# Altium PCB E17-06-PDU_E17-PDU-LAYOUT.PcbDoc (part 1 of 2) (continued)
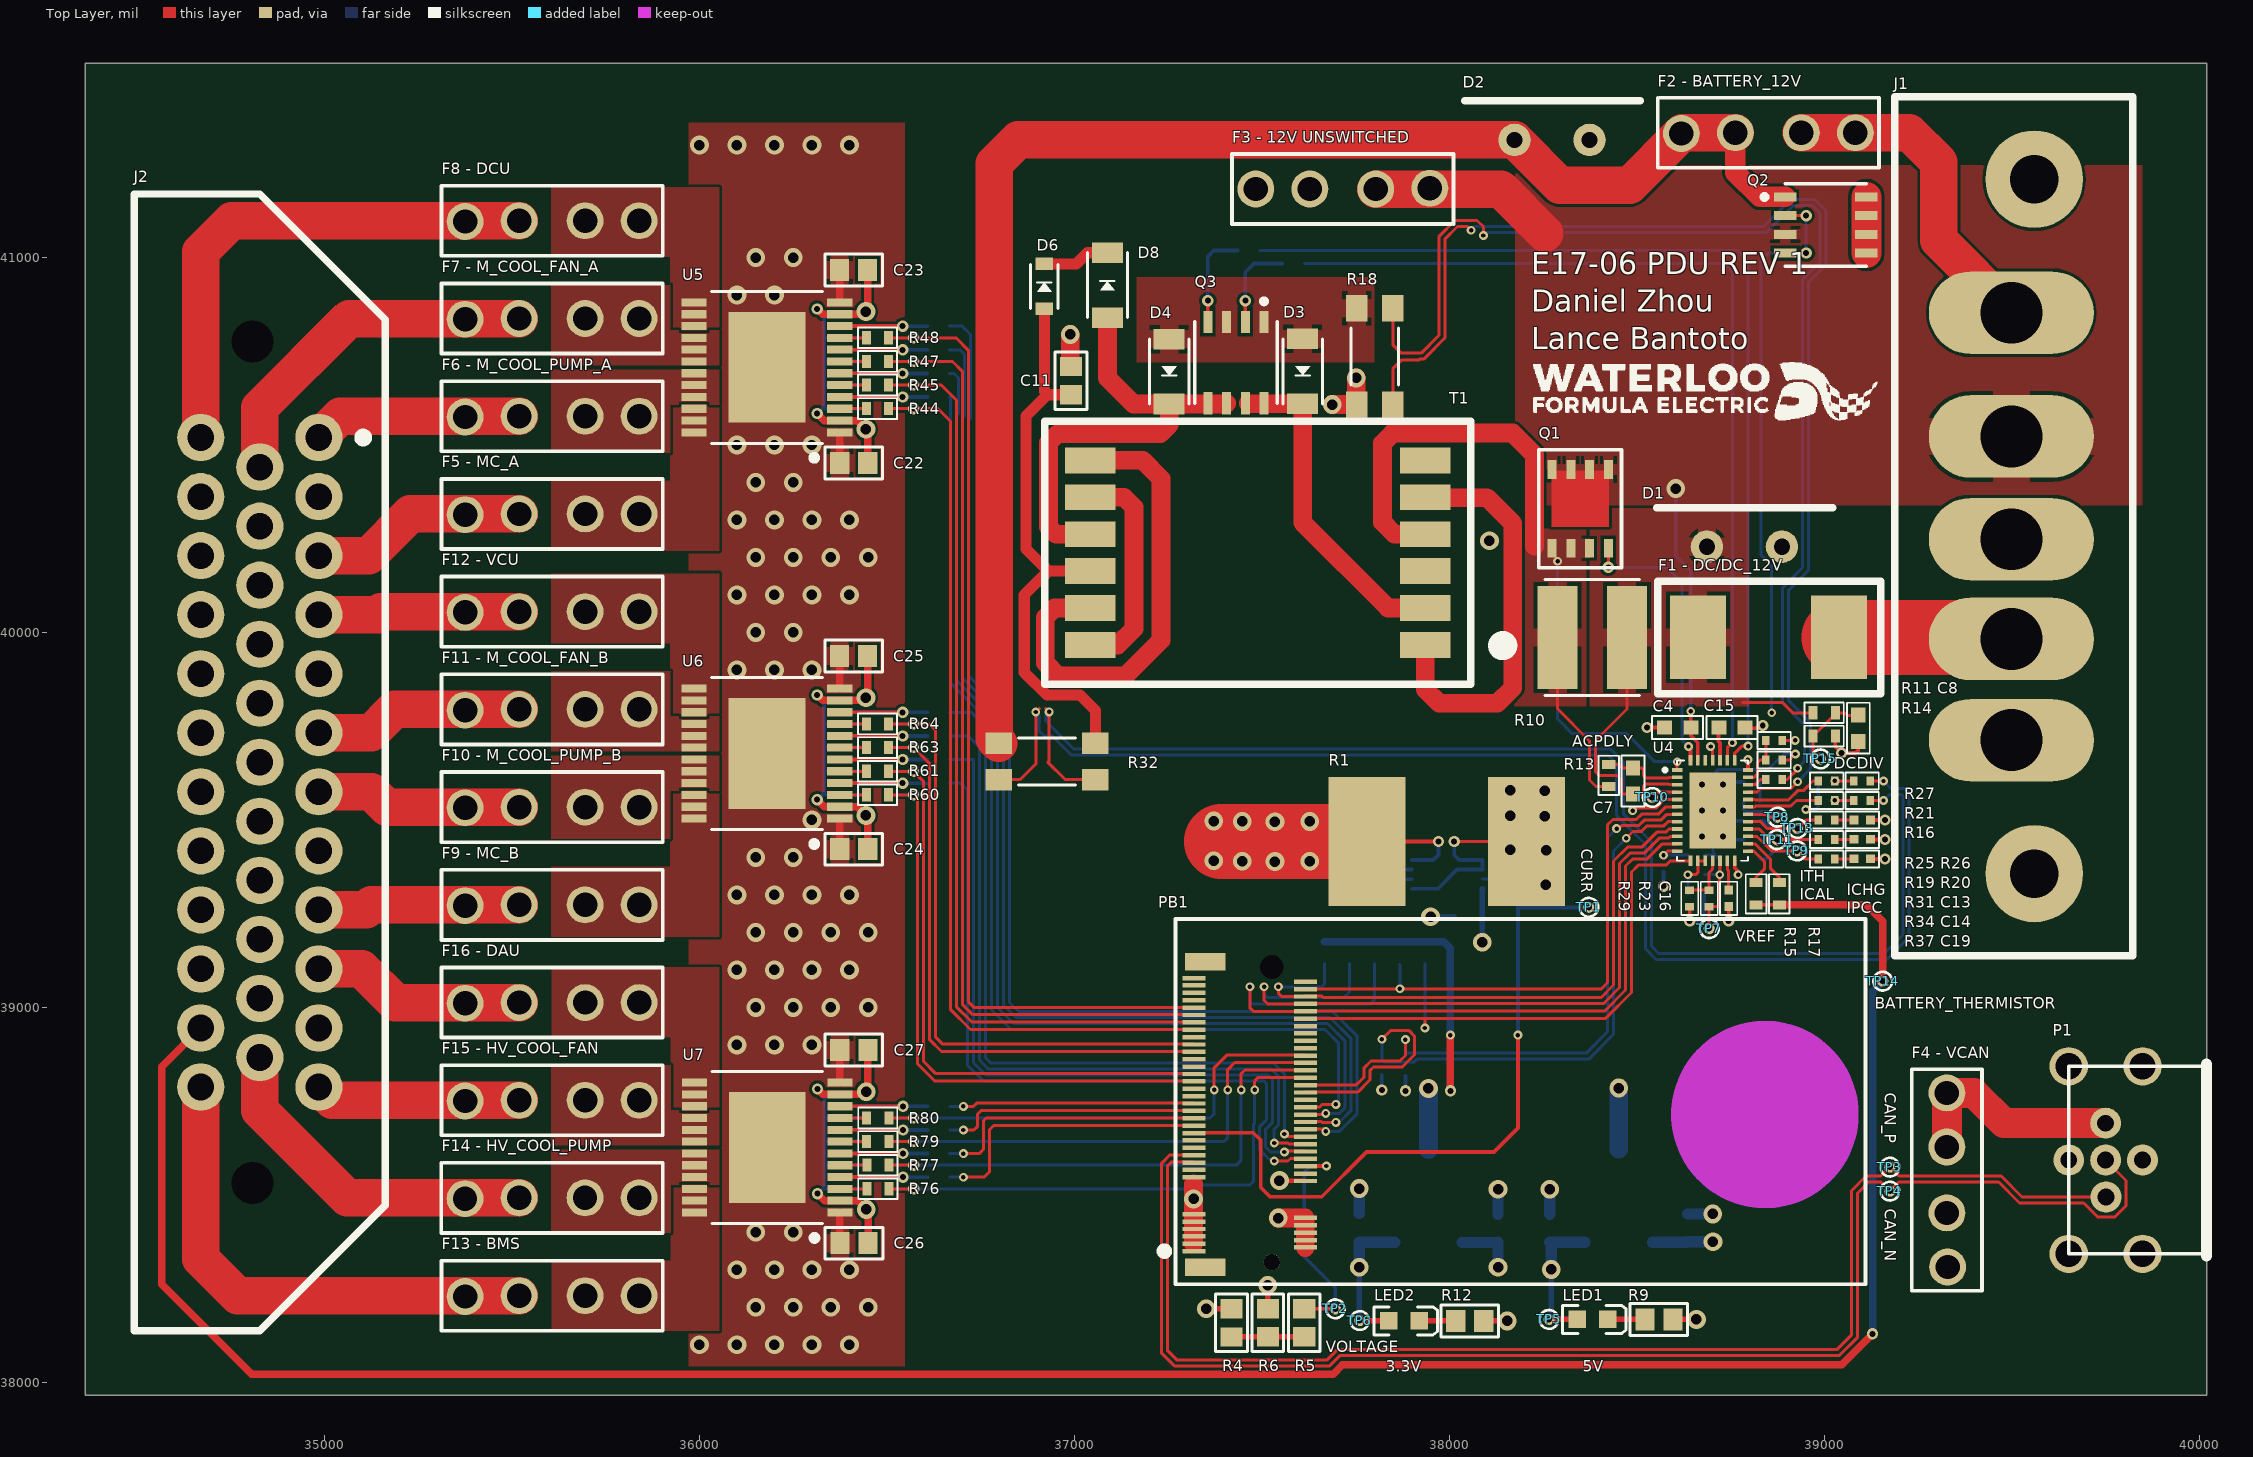
[diagram p0: Top Layer view]
## Design rules (kind name [scope] priority, off if disabled: settings)
BoardOutlineClearance [All] p1: gap=25 ignorepadtopadclearanceinfootprint=FALSE
Clearance [All] p1: gap=8 ignorepadtopadclearanceinfootprint=FALSE
ComponentClearance ComponentClearance_TP [All] p1: gap=-20 collisioncheckmode=3 verticalgap=10 showdistances=FALSE
ComponentClearance [All] p2: gap=10 collisioncheckmode=3 verticalgap=10 showdistances=FALSE
DiffPairsRouting [All] p1: maxlimit=10 minlimit=8 mostfreqgap=8 toplayer_minwidth=8 toplayer_maxwidth=15 toplayer_prefwidth=8 midlayer1_minwidth=8 midlayer1_maxwidth=15 midlayer1_prefwidth=8 midlayer2_minwidth=8 midlayer2_maxwidth=15 midlayer2_prefwidth=8 bottomlayer_minwidth=8 bottomlayer_maxwidth=15 bottomlayer_prefwidth=8 maxuncoupledlength=500
Height [All] p1: minheight=0 maxheight=99999 prefheight=500
MinimumSolderMaskSliver [All] p1: minsoldermaskwidth=4
PlaneConnect PlaneConnect_TRANS_PRI_2 [InNet('TRANS_PRI_2')] p1: planeconnectstyle=Direct reliefexpansion=20 reliefentries=4 reliefconductorwidth=10 reliefairgap=10
PlaneConnect [All] p2: planeconnectstyle=Relief reliefexpansion=20 reliefentries=4 reliefconductorwidth=10 reliefairgap=10
PolygonConnect PolygonConnect_GND_INPUTCONNECTOR [HasFootprint('J_684S5W5103L461') vs IsNamedPolygon('12V_2')] p1: connectstyle=Direct reliefconductorwidth=10 reliefentries=4 polygonreliefangle="90 Angle" airgapwidth=10
PolygonConnect PolygonConnect_DIRECT [IsNamedPolygon('VCU') OR IsNamedPolygon('MC_A') OR IsNamedPolygon('MC_B') OR IsNamedPolygon('BMS') OR IsNamedPolygon('DAU') OR IsNamedPolygon('DCU') OR IsNamedPolygon('FMB_A') OR IsNamedPolygon('HV_COOL_FAN') OR IsNamedPolygon('HV_COOL_PUMP') OR IsNamedPolygon('M_COOL_FAN') OR IsNamedPolygon('M_COOL_PUMP_A') OR IsNamedPolygon('M_COOL_PUMP_B') OR HasFootprint('POWERSSO-24')] p2: connectstyle=Direct reliefconductorwidth=10 reliefentries=4 polygonreliefangle="90 Angle" airgapwidth=10
PolygonConnect PolygonConnect_12V_GLVMS_1 [IsNamedPolygon('12V_GLVMS_1') or IsNamedPolygon('CONNECTOR_GND_1')] p3: thpad.connectstyle=Relief thpad.reliefconductorwidth=100 thpad.reliefentries=4 thpad.polygonreliefangle="90 Angle" thpad.airgapwidth=10 smdpad.connectstyle=Relief smdpad.reliefconductorwidth=30 smdpad.reliefentries=4 smdpad.polygonreliefangle="90 Angle" smdpad.airgapwidth=10 via.connectstyle=Direct via.reliefconductorwidth=10 via.reliefentries=4 via.polygonreliefangle="90 Angle" via.airgapwidth=10
PolygonConnect PolygonConnect_HIGH_I [IsNamedPolygon('DC/DC_12V_1') OR  IsNamedPolygon('TRANS_PRI_1_1') OR IsNamedPolygon('SYNC_FET_SOURCE_1') OR IsNamedPolygon('12V_2') OR IsNamedPolygon('GND_1')] p4: thpad.connectstyle=Relief thpad.reliefconductorwidth=50 thpad.reliefentries=4 thpad.polygonreliefangle="90 Angle" thpad.airgapwidth=10 smdpad.connectstyle=Relief smdpad.reliefconductorwidth=50 smdpad.reliefentries=4 smdpad.polygonreliefangle="90 Angle" smdpad.airgapwidth=10 via.connectstyle=Direct via.reliefconductorwidth=10 via.reliefentries=4 via.polygonreliefangle="90 Angle" via.airgapwidth=10
PolygonConnect [All] p5: thpad.connectstyle=Relief thpad.reliefconductorwidth=10 thpad.reliefentries=4 thpad.polygonreliefangle="90 Angle" thpad.airgapwidth=10 smdpad.connectstyle=Relief smdpad.reliefconductorwidth=10 smdpad.reliefentries=4 smdpad.polygonreliefangle="90 Angle" smdpad.airgapwidth=10 via.connectstyle=Direct via.reliefconductorwidth=10 via.reliefentries=4 via.polygonreliefangle="90 Angle" via.airgapwidth=10
RoutingVias [All] p1: holewidth=16 width=30 viastyle="Through Hole" minholewidth=11.81 minwidth=23.62 maxholewidth=28 maxwidth=50
SilkToSilkClearance SilkToSilkClearance_TP [HasFootprint('TEST POINT') vs HasFootprint('TEST POINT')] p1 off: silktosilkclearance=3
SolderMaskExpansion [All] p1: expansion=4
Width [All] p1: maxlimit=1000 minlimit=8 preferedwidth=8
24 further rules are at their usual default settings.

## Classes and differential pairs
component class Connectors: C1 D1 D2 "F1 - DC/DC_12V" "F2 - BATTERY_12V" "F3 - 12V UNSWITCHED" "F4 - VCAN" J1 J2 P1 R1 R2 R3 R4 R5 R6 TP1 TP2 TP3 TP4 U1
component class Gate_1: C22 C23 F5 F6 F7 F8 R41 R42 R43 R44 R45 R46 R47 R48 R49 R50 R51 R52 R53 R54 R55 R56 U5
component class Gate_2: C24 C25 F9 F10 F11 F12 R57 R58 R59 R60 R61 R62 R63 R64 R65 R66 R67 R68 R69 R70 R71 R72 U6
component class Gate_3: C26 C27 F13 F14 F15 F16 R73 R74 R75 R76 R77 R78 R79 R80 R81 R82 R83 R84 R85 R86 R87 R88 U7
component class POWER: C2 C3 C4 C5 C6 C7 C8 C9 C11 C12 C13 C14 C15 C16 C17 C18 C19 D3 D4 D6 D8 LED1 LED2 Q1 Q2 Q3 R9 R10 R11 R12 R13 R14 R15 R16 R17 R18 R19 R20 R21 R22 R23 R24 R25 R26 R27 R28 R29 R30 R31 R32 R33 R34 R35 R36 R37 R38 R89 R90 T1 Text TP5 TP6 TP7 TP8 TP9 TP10 TP11 TP13 TP14 TP15 U2 U3 U4
component class Processor: PB1 R7 R8 R91 R92 R93 R94 R95
differential pair FLYBACK_SENSE: +FLYBACK_SENSE_P -FLYBACK_SENSE_N
differential pair FET_SENSE: +FET_SENSE_P -FET_SENSE_N
differential pair CAN: +CAN_P -CAN_N

## Components (designator, comment, footprint, x,y, rotation, side; value= is the part's Value field where it differs from the comment)
C1 "C_0805_Generic" C0805 38050.37,39241.77 r0 bottom value=0.1uF
C2 "C_0805_Generic" C0805 38635.97,38411.77 r90 bottom value=0.33uF
C3 "C_0805_Generic" C0805 38267.97,38411.17 r90 bottom value=0.1uF
C4 "C_0603_Generic_1" C0603 38608.97,39746.77 r180 top value=0uF
C5 "C_0805_Generic" C0805 38129.97,38410.77 r90 bottom value=0.33uF
C6 "C_0805_Generic" C0805 37759.97,38410.77 r90 bottom value=0.1uF
C7 "C_0603_Generic_1" C0603 38490.23,39603.97 r90 top value=0uF
C8 "C_0603_Generic_1" C0603 39090.97,39744.77 r270 top value=0uF
C9 "C_0403_Generic" C0402 39006.23,39551.97 r180 bottom value=0uF
C11 "C_0805_Generic" C0805 36991,40671.6 r90 top value=22uF
C12 "C_0403_Generic" C0402 39006.23,39603.97 r0 bottom value=0uF
C13 "C_0403_Generic" C0402 39101.23,39499.97 r0 top value=0uF
C14 "C_0403_Generic" C0402 39101.23,39447.97 r0 top value=0uF
C15 "C_0603_Generic_1" C0603 38753.97,39746.77 r0 top value=0uF
C16 "C_0403_Generic" C0402 38745.23,39290.97 r270 top value=0uF
C17 "C_0403_Generic" C0402 38621.23,39571.97 r0 bottom value=0uF
C18 "C_0403_Generic" C0402 38807.23,39600.97 r180 bottom value=0uF
C19 "C_0403_Generic" C0402 39101.23,39395.97 r0 top value=0uF
C22 "C_0805_Generic" C0805 36411.4,40452 r0 top value=0.1uF
C23 "C_0805_Generic" C0805 36411,40967 r0 top value=0.1uF
C24 "C_0805_Generic" C0805 36411.4,39422 r0 top value=0.1uF
C25 "C_0805_Generic" C0805 36411,39937 r0 top value=0.1uF
C26 "C_0805_Generic" C0805 36412.21,38371.26 r0 top value=0.1uF
C27 "C_0805_Generic" C0805 36411.81,38886.26 r0 top value=0.1uF
D1 "D_STPS20SM60D" TO-220-2 38786.97,40228.77 r180 top
D2 "D_STPS20SM60D" TO-220-2 38273.97,41313.77 r180 top
D3 "D_PMEG3050EP,115" SOD-128 37608.97,40696.39 r270 top
D4 "D_PMEG3050EP,115" SOD-128 37252.97,40695.77 r270 top
D6 "D_ZENER" SOD-123FL 36920,40923 r90 top
D8 "D_PMEG3050EP,115" SOD-128 37088,40926.39 r90 top
"F1 - DC/DC_12V" "F_1025HC50-RTR" F_1025HC50-RTR 38843.89,39992.68 r180 top (schematic designator F1)
"F2 - BATTERY_12V" "F_BK-6013" BK-6013 38850.97,41332.77 r180 top (schematic designator F2)
"F3 - 12V UNSWITCHED" "F_BK-6013" BK-6013 37715.88,41182.77 r0 top (schematic designator F3)
"F4 - VCAN" "F_BK-6013" BK-6013 39326.97,38539.78 r270 top (schematic designator F4)
"F5 - MC_A" "F_BK-6013" BK-6013 35606.99,40316.09 r180 top (schematic designator F5)
"F6 - M_COOL_PUMP_A" "F_BK-6013" BK-6013 35606.99,40576.73 r180 top (schematic designator F6)
"F7 - M_COOL_FAN_A" "F_BK-6013" BK-6013 35606.99,40837.36 r180 top (schematic designator F7)
"F8 - DCU" "F_BK-6013" BK-6013 35606.99,41098 r180 top (schematic designator F8)
"F9 - MC_B" "F_BK-6013" BK-6013 35606.99,39273.55 r180 top (schematic designator F9)
"F10 - M_COOL_PUMP_B" "F_BK-6013" BK-6013 35606.99,39534.18 r180 top (schematic designator F10)
"F11 - M_COOL_FAN_B" "F_BK-6013" BK-6013 35606.99,39794.82 r180 top (schematic designator F11)
"F12 - VCU" "F_BK-6013" BK-6013 35606.99,40055.45 r180 top (schematic designator F12)
"F13 - BMS" "F_BK-6013" BK-6013 35606.99,38231 r180 top (schematic designator F13)
"F14 - HV_COOL_PUMP" "F_BK-6013" BK-6013 35606.91,38492 r180 top (schematic designator F14)
"F15 - HV_COOL_FAN" "F_BK-6013" BK-6013 35606.99,38752.27 r180 top (schematic designator F15)
"F16 - DAU" "F_BK-6013" BK-6013 35606.99,39012.91 r180 top (schematic designator F16)
J1 "J_684S5W5103L461" J_684S5W5103L461 39498.97,40282.77 r90 top
J2 "P_TE-1-776163-1" P_TE-1-776163-1 34984.96,40519.92 r270 top
LED1 "Green" LGR971 38382,38167.77 r0 top
LED2 "Green" LGR971 37879,38163.77 r0 top
P1 "P_CAN-CONNECTOR" "CAN CONNECTOR (90)" 39750.54,38592.77 r270 top
PB1 "U_ProcBoardRev2" PROC_BOARD 38007.73,38349.88 r90 top
Q1 "Q_SI7141DP-T1-GE3" "POWERPAK SO-8" 38348.97,40329.77 r90 top
Q2 "Q_DMN3018SSD-13_1" 8-SOIC 39003.97,41086.77 r270 top
Q3 "Q_DMN3018SSD-13" 8-SOIC 37430.97,40719.77 r180 top
R1 "R_PSR500HTQFC0L20" PSR500HTQFC0L20 37993.37,39442.77 r0 top value=R0005
R2 "R_0805_Generic" R0805 38182.97,39303.77 r270 bottom value=10K
R3 "R_0805_Generic" R0805 37825.97,39354.77 r270 bottom value=240R
R4 "R_0805_Generic" R0805 37419,38158.6 r90 top value=10.2K
R5 "R_0805_Generic" R0805 37613,38159 r90 top value=10K
R6 "R_0805_Generic" R0805 37516,38159 r90 top value=1.96K
R7 "R_0603_Generic" R0603 37883,38848.5 r270 bottom value=10K
R8 "R_0603_Generic" R0603 37820,38849 r270 bottom value=10K
R9 "R_0805_Generic" R0805 38558.97,38167.77 r0 top value=150
R10 "R_ERJ-MS6SF2M0U" R2526 38381.45,39986.77 r180 top value=R002
R11 "R_0603_Generic" R0603 38999.97,39785.77 r0 top value=0R
R12 "R_0805_Generic" R0805 38054.37,38163.77 r0 top value=56
R13 "R_0603_Generic" R0603 38425.23,39618.97 r90 top value=0R
R14 "R_0603_Generic" R0603 38999.97,39723.77 r0 top value=0R
R15 "R_0603_Generic" R0603 38818.23,39302.97 r90 top value=0R
R16 "R_0402_Generic" R0402 38866.23,39607.97 r0 top value=0R
R17 "R_0603_Generic" R0603 38880.23,39302.97 r90 top value=0R
R18 "R_LVK24R025FER" R2512 37801.2,40735.71 r90 top value=R025
R19 "R_0402_Generic" R0402 39006.23,39551.97 r0 top value=0R
R20 "R_0402_Generic" R0402 39101.23,39551.97 r0 top value=0R
R21 "R_0402_Generic" R0402 38866.23,39659.97 r180 top value=0R
R22 "R_0402_Generic" R0402 38658.23,39405.97 r180 bottom value=0R
R23 "R_0402_Generic" R0402 38693.23,39290.97 r90 top value=0R
R24 "R_0402_Generic" R0402 38658.23,39353.97 r180 bottom value=0R
R25 "R_0402_Generic" R0402 39006.23,39603.97 r0 top value=0R
R26 "R_0402_Generic" R0402 39101.23,39603.97 r0 top value=0R
R27 "R_0402_Generic" R0402 38866.23,39711.97 r0 top value=0R
R28 "R_0402_Generic" R0402 38571.23,39383.97 r270 bottom value=0R
R29 "R_0402_Generic" R0402 38641.23,39290.97 r270 top value=0R
R30 "R_0402_Generic" R0402 38658.23,39301.97 r0 bottom value=0R
R31 "R_0402_Generic" R0402 39006.23,39499.97 r0 top value=0R
R32 "R_LVK24R050DER" R2512 36927.06,39655.77 r0 top value=R05
R33 "R_0402_Generic" R0402 38807.23,39497.97 r180 bottom value=0R
R34 "R_0402_Generic" R0402 39006.23,39447.97 r0 top value=0R
R35 "R_0402_Generic" R0402 38807.23,39548.97 r0 bottom value=0R
R36 "R_0402_Generic" R0402 38807.23,39446.97 r180 bottom value=0R
R37 "R_0402_Generic" R0402 39006.23,39395.97 r0 top value=0R
R38 "R_0402_Generic" R0402 38807.23,39395.97 r180 bottom value=0R
R41 "R_0603_Generic" R0603 36475,40597 r0 bottom value=10K
R42 "R_0603_Generic" R0603 36475,40660 r0 bottom value=10K
R43 "R_0603_Generic" R0603 36475,40723 r0 bottom value=10K
R44 "R_0603_Generic" R0603 36475,40597 r180 top value=10K
R45 "R_0603_Generic" R0603 36475,40660 r180 top value=10K
R46 "R_0603_Generic" R0603 36475,40786 r0 bottom value=10K
R47 "R_0603_Generic" R0603 36475,40723 r180 top value=10K
R48 "R_0603_Generic" R0603 36475,40786 r180 top value=10K
R49 "R_0603_Generic" R0603 36637.5,40628 r180 bottom value=10K
R50 "R_0603_Generic" R0603 36637,40691 r180 bottom value=10K
R51 "R_0603_Generic" R0603 36637.5,40754 r180 bottom value=10K
R52 "R_0603_Generic" R0603 36637.5,40817 r180 bottom value=10K
R53 "R_0603_Generic" R0603 36362,40629 r180 bottom value=499R
R54 "R_0603_Generic" R0603 36362,40692 r180 bottom value=499R
R55 "R_0603_Generic" R0603 36362,40755 r180 bottom value=499R
R56 "R_0603_Generic" R0603 36362,40818 r180 bottom value=499R
R57 "R_0603_Generic" R0603 36475,39567 r0 bottom value=10K
R58 "R_0603_Generic" R0603 36475,39630 r0 bottom value=10K
R59 "R_0603_Generic" R0603 36475,39693 r0 bottom value=10K
R60 "R_0603_Generic" R0603 36475,39567 r180 top value=10K
R61 "R_0603_Generic" R0603 36475,39630 r180 top value=10K
R62 "R_0603_Generic" R0603 36475,39756 r0 bottom value=10K
R63 "R_0603_Generic" R0603 36475,39693 r180 top value=10K
R64 "R_0603_Generic" R0603 36475,39756 r180 top value=10K
R65 "R_0603_Generic" R0603 36637.5,39598 r180 bottom value=10K
R66 "R_0603_Generic" R0603 36637,39661 r180 bottom value=10K
R67 "R_0603_Generic" R0603 36637.5,39724 r180 bottom value=10K
R68 "R_0603_Generic" R0603 36637.5,39787 r180 bottom value=10K
R69 "R_0603_Generic" R0603 36362,39599 r180 bottom value=499R
R70 "R_0603_Generic" R0603 36362,39662 r180 bottom value=499R
R71 "R_0603_Generic" R0603 36362,39725 r180 bottom value=499R
R72 "R_0603_Generic" R0603 36362,39788 r180 bottom value=499R
R73 "R_0603_Generic" R0603 36475.81,38516.26 r0 bottom value=10K
R74 "R_0603_Generic" R0603 36475.81,38579.26 r0 bottom value=10K
R75 "R_0603_Generic" R0603 36475.56,38642.01 r0 bottom value=10K
R76 "R_0603_Generic" R0603 36475.81,38516.26 r180 top value=10K
R77 "R_0603_Generic" R0603 36475.81,38579.26 r180 top value=10K
R78 "R_0603_Generic" R0603 36475.55,38705 r0 bottom value=10K
R79 "R_0603_Generic" R0603 36475.56,38642.01 r180 top value=10K
R80 "R_0603_Generic" R0603 36475.55,38705 r180 top value=10K
R81 "R_0603_Generic" R0603 36638.31,38547.26 r180 bottom value=10K
R82 "R_0603_Generic" R0603 36637.8,38610.25 r180 bottom value=10K
R83 "R_0603_Generic" R0603 36638.29,38673.24 r180 bottom value=10K
R84 "R_0603_Generic" R0603 36638.31,38736.26 r180 bottom value=10K
R85 "R_0603_Generic" R0603 36362.81,38548.26 r180 bottom value=499R
R86 "R_0603_Generic" R0603 36362.81,38611.26 r180 bottom value=499R
R87 "R_0603_Generic" R0603 36362.81,38674.26 r180 bottom value=499R
R88 "R_0603_Generic" R0603 36362.81,38737.26 r180 bottom value=499R
R89 "R_0603_Generic" R0603 37583.97,40983.77 r180 bottom value=0R
R90 "R_0603_Generic" R0603 37464.97,41018.77 r180 bottom value=0R
R91 "R_0603_Generic" R0603 37868,39146 r270 bottom value=100K
R92 "R_0603_Generic" R0603 37667,39146 r270 bottom value=100K
R93 "R_0603_Generic" R0603 37734,39146 r270 bottom value=100K
R94 "R_0603_Generic" R0603 37801,39146 r270 bottom value=100K
R95 "R_0603_Generic" R0603 37935,39146 r270 bottom value=100K
T1 "T_VP4-0140-R" T_VP4-0140-R 37489.15,40212.94 r180 top
TP1 "CURR" "TEST POINT" 38372,39267 r0 top
TP2 "VOLTAGE" "TEST POINT" 37696,38196 r0 top
TP3 "CAN_P" "TEST POINT" 39175,38574 r0 top
TP4 "CAN_N" "TEST POINT" 39175,38510 r0 top
TP5 "5V" "TEST POINT" 38265.97,38167.77 r0 top
TP6 "3.3V" "TEST POINT" 37760.97,38164.77 r0 top
TP7 "VREF" "TEST POINT" 38693.23,39209.97 r270 top
TP8 "ITH" "TEST POINT" 38875.23,39507.35 r270 top
TP9 "IPCC" "TEST POINT" 38927.23,39417.35 r270 top
TP10 "ACPDLY" "TEST POINT" 38541.23,39559.97 r0 top
TP11 "ICAL" "TEST POINT" 38874.23,39447.35 r0 top
TP13 "ICHG" "TEST POINT" 38928.23,39477.35 r0 top
TP14 "BATTERY_THERMISTOR" "TEST POINT" 39156,39070 r0 top
TP15 "DCDIV" "TEST POINT" 38989.97,39662.77 r90 top
U1 "U_INA826AIDGKR" 8-TSSOP 37993.97,39354.77 r0 bottom value=INA826AIDGKR
U2 "U_UA78M05CKVURG3" TO-252-3 38451.97,38747.77 r180 bottom
U3 "U_UA78M33CKVURG3" TO-252-3 37944.2,38746.79 r180 bottom
U4 "U_LTC4110" U_LTC4110 38702.23,39524.97 r270 top
U5 "U_VNQ5027AK-E" POWERSSO-24 36180,40707 r180 top
U6 "U_VNQ5027AK-E" POWERSSO-24 36180,39677 r180 top
U7 "U_VNQ5027AK-E" POWERSSO-24 36180.81,38626.26 r180 top

## Footprints (in the part's own frame and the unit in brackets; to place one, negate y for a bottom-side part, rotate by r counter-clockwise, add the part's x,y. Pads: shape width x height; smd on the part's side, far side on the other; paste and mask are expansions set on the pad)
8-SOIC [mm]
  rect 0.6x1.52 smd mask+0.076: 1(-1.905,-2.751) 2(-0.635,-2.751) 3(0.635,-2.751) 4(1.905,-2.751) 5(1.905,2.751) 6(0.635,2.751) 7(-0.635,2.751) 8(-1.905,2.751)
  silkscreen extent -2.8,-4.31 2.8,2.75, body extent -2.5,-3.08 2.5,3.08, height 2
8-TSSOP [mm] "For U_INA826AIDGKR"
  rect 1.26x0.4 smd mask+0.076: 1(-2.4,0.975) 2(-2.4,0.325) 3(-2.4,-0.325) 4(-2.4,-0.975) 5(2.4,-0.975) 6(2.4,-0.325) 7(2.4,0.325) 8(2.4,0.975)
  silkscreen extent -3.92,-1.55 1.55,1.55, body extent -2.45,-1.5 2.45,1.5, height 0.92
BK-6013 [mm] "FUSE HOLDER BLADE PCB"
  round 2.5 hole 1.65: 1(-5.895,0) 1(-2.235,0) 2(2.235,0) 2(5.895,0.051)
  silkscreen extent -7.5,-2.37 7.5,2.37
C0402 [mil]
  rect 24x23 smd mask+3: 1(-22,0) 2(22,0)
  silkscreen extent -44,-23 44,23, body extent -20,-10 20,10, height 10
C0603 [mil]
  rect 40x38 smd: 1(-35,0) 2(35,0)
  silkscreen extent -68,-31 68,31, body extent -32,-16 32,16, height 24
C0805 [mm] "Chip Capacitor; Body 2.0 x 1.2 mm (LxW typ)"
  rect 1.3x1.5 smd: 1(-0.95,0) 2(0.95,0)
  silkscreen extent -1.95,-1.07 1.95,1.07, body extent -1,-0.63 1,0.63, height 0.78
"CAN CONNECTOR (90)" [mm] "90 Degree Configuration"
  round 2.1 hole 1.14: 1(0,2.5) 2(-2.5,0) 3(0,-2.5) 4(2.5,0.025) 5(0,0)
  round 2.6 hole 1.78: 6(6.35,2.5) 7(6.35,-2.5) 8(-6.35,2.5) 9(-6.35,-2.5)
  silkscreen extent -6.5,-2.5 6.5,6.82, body extent -10.28,-7.25 10.28,21.25, height 18.55
F_1025HC50-RTR [mm]
  rect 3.79x5.65 smd mask+0.076: 1(-4.955,0.15) 2(4.6,0.15)
  silkscreen extent -7.8,-3.65 7.3,3.95, body extent -6.4,-2.1 6,2.4, height 4.5
J_684S5W5103L461 [mil]
  oval 220x440 hole 165 mask+3: 1(570,0) 2(240,0) 3(-34,0) 4(-300,0) 5(-570,0)
  round 260 hole 130 mask+3: 6(926,-61) 7(-926,-61)
  silkscreen extent -1146,-324 1146,311, body extent -1048,-787 1041,74, height 494
LGR971 [mil] "SMT LED; 2 Flat Leads; RED"
  rect 47x47 smd: 1(-41,0) 2(41,0)
  silkscreen extent -80,-37 89,37, body extent -39,-26 39,26, height 31
P_TE-1-776163-1 [mm] "CONN HEADER 35POS R/A GOLD BLACK"
  round 0 hole 2.85 unplated: 0(-6.5,-4.5) 0(50.5,-4.5)
  round 3.2 hole 1.8: 1(0,0) 2(4,0) 3(8,0) 4(12,0) 5(16,0) 6(20,0) 7(24,0) 8(28,0) 9(32,0) 10(36,0) 11(40,0) 12(44,0) 13(2,-4) 14(6,-4) 15(10,-4) 16(14,-4) 17(18,-4) 18(22,-4) 19(26,-4) 20(30,-4) 21(34,-4) 22(38,-4) 23(42,-4) 24(0,-8) 25(4,-8) 26(8,-8) 27(12,-8) 28(16,-8) 29(20,-8) 30(24,-8) 31(28,-8) 32(32,-8) 33(36,-8) 34(40,-8) 35(44,-8)
  silkscreen extent -16.5,-12.5 60.5,4.5, body extent -16.45,-35.8 60.45,2, height 27.77
"POWERPAK SO-8" [mil]
  rect 50x24 smd mask+3: 1(-105,75) 2(-105,25) 3(-105,-25) 4(-105,-75) 5(105,-75) 6(105,-25) 7(105,25) 8(105,75)
  Top Layer region: -48,-77 102,-77 102,77 -48,77
  silkscreen extent -157,-110 157,110, body extent -121,-101 121,101, height 41
POWERSSO-24 [mm] "For U_VNQ5027AK-E"
  rect 1.7x0.55 smd mask+0.076: 1(-4.932,4.4) 2(-4.932,3.6) 3(-4.932,2.8) 4(-4.932,2) 5(-4.932,1.2) 6(-4.932,0.4) 7(-4.932,-0.4) 8(-4.932,-1.2) 9(-4.932,-2) 10(-4.932,-2.8) 11(-4.932,-3.6) 12(-4.932,-4.4) 13(4.933,-4.4) 14(4.933,-3.6) 15(4.933,-2.8) 16(4.933,-2) 17(4.933,-1.2) 18(4.933,-0.4) 19(4.933,0.4) 20(4.933,1.2) 21(4.933,2) 22(4.933,2.8) 23(4.933,3.6) 24(4.933,4.4)
  rect 5.2x7.5 smd paste-3.6: 25(0,0)
  silkscreen extent -3.75,-5.15 3.75,6.32, body extent -5.24,-5.27 5.25,5.22, height 2.47
PROC_BOARD [mm]
  rect 1.2x2.75 smd: 0(-1.1,16.725) 0(19.6,16.725)
  round 1.1 hole 1.1 unplated paste+0: 0(-0.75,12.225)
  round 0 hole 6.35 unplated: 0(9.258,-21.183)
  round 1.524 hole 1.6 unplated: 0(19.25,12.225)
  rect 0.3x1.55 smd: 1(0,17.5) 2(0.25,9.95) 3(0.5,17.5) 4(0.75,9.95) 5(1,17.5) 6(1.25,9.95) 7(1.5,17.5) 8(1.75,9.95) 9(2,17.5) 10(2.25,9.95) 11(2.5,17.5) 12(4.75,9.95) 13(5,17.5) 14(5.25,9.95) 15(5.5,17.5) 16(5.75,9.95) 17(6,17.5) 18(6.25,9.95) 19(6.5,17.5) 20(6.75,9.95) 21(7,17.5) 22(7.25,9.95) 23(7.5,17.5) 24(7.75,9.95) 25(8,17.5) 26(8.25,9.95) 27(8.5,17.5) 28(8.75,9.95) 29(9,17.5) 30(9.25,9.95) 31(9.5,17.5) 32(9.75,9.95) 33(10,17.5) 34(10.25,9.95) 35(10.5,17.5) 36(10.75,9.95) 37(11,17.5) 38(11.25,9.95) 39(11.5,17.5) 40(11.75,9.95) 41(12,17.5) 42(12.25,9.95) 43(12.5,17.5) 44(12.75,9.95) 45(13,17.5) 46(13.25,9.95) 47(13.5,17.5) 48(13.75,9.95) 49(14,17.5) 50(14.25,9.95) 51(14.5,17.5) 52(14.75,9.95) 53(15,17.5) 54(15.25,9.95) 55(15.5,17.5) 56(15.75,9.95) 57(16,17.5) 58(16.25,9.95) 59(16.5,17.5) 60(16.75,9.95) 61(17,17.5) 62(17.25,9.95) 63(17.5,17.5) 64(17.75,9.95) 65(18,17.5) 66(18.25,9.95) 67(18.5,17.5)
  Keep-Out Layer circle w6.35: c9.258,-21.183 r3.175
  silkscreen extent -2.25,-28 22.5,19.75, body extent -1.7,-25.44 21.89,18.08, height 6.34
PSR500HTQFC0L20 [mm] "Resistor 0.0002ohm 5W Current Sense"
  rect 5.2x8.75 smd mask+0.127: 1(-5.4,0) 2(5.4,0)
R0402 [mil]
  rect 20x24 smd: 1(-22,0) 2(22,0)
  silkscreen extent -44,-23 44,23, body extent -20,-10 20,10, height 12
R0603 [mil]
  rect 24x35 smd: 1(-29.5,0) 2(29.5,0)
  silkscreen extent -52,-28 52,28, body extent -31,-16 31,16, height 18
R0805 [mm] "Chip Resistor; Body 2.0 x 1.3 mm (LxW typ)"
  rect 1.3x1.5 smd: 1(-0.95,0) 2(0.95,0)
  silkscreen extent -1.95,-1.07 1.95,1.07, body extent -0.97,-0.61 1.03,0.64, height 0.77
R2512 [mm]
  rect 1.8x1.45 smd mask+0.076: 1(-3.275,1.225) 2(3.275,1.225) 3(-3.275,-1.225) 4(3.275,-1.225)
  silkscreen extent -1.92,-1.6 1.92,1.6, body extent -3.15,-1.55 3.15,1.55, height 0.55
R2526 [mm]
  rect 2.7x7 smd mask+0.076: 1(-2.35,0) 2(2.35,0)
  silkscreen extent -3.2,-3.93 3.2,3.93, body extent -3.2,-3.4 3.2,3.4, height 1.2
SOD-123FL [mil]
  rect 33x47 smd mask+3: 1(-60,0) 2(60,0)
  silkscreen extent -59,-37 59,37, body extent -51,-31 51,31, height 31
SOD-128 [mm]
  rect 1.4x2.1 smd mask+0.076: 1(-2.2,0) 2(2.2,0)
  silkscreen extent -2.2,-1.35 2.2,1.35, body extent -2.5,-1.35 2.5,1.35, height 1.1
T_VP4-0140-R [mm]
  rect 3.43x1.75 smd mask+0.076: 1(-11.35,6.25) 2(-11.35,3.75) 3(-11.35,1.25) 4(-11.35,-1.25) 5(-11.35,-3.75) 6(-11.35,-6.25) 7(11.35,-6.25) 8(11.35,-3.75) 9(11.35,-1.25) 10(11.35,1.25) 11(11.35,3.75) 12(11.35,6.25)
  silkscreen extent -17.08,-8.9 14.42,8.9, body extent -5.98,-8.15 6.02,8.15, height 7.8
"TEST POINT" [mil]
  round 30 hole 16 mask+3.94: 1(0,0)
  silkscreen extent -25,-25 25,25
TO-220-2 [mm]
  round 2.2 hole 1.1 mask+0.076: 1(-2.54,0) 2(2.54,0)
  silkscreen extent -5.97,-2.65 5.92,-2.65, body extent -5.94,-2.65 5.94,1.75, height 19.11
TO-252-3 [mm] "D-PAK/TO-252-3; 3 Leads"
  rect 0.8x2.2 smd: 1(-2.28,-9.5) 3(2.28,-9.5)
  rect 5.8x6.4 smd: 2(0,-3.2)
  silkscreen extent -3.3,-11.32 3.3,0.13, body extent -3.38,-12.62 3.32,-1.18, height 1.7
U_LTC4110 [mm] "UHF 5x7mm 38-pin exposed pad"
  rect 0.25x0.7 smd mask+0.076: 1(-2.75,-2.4) 2(-2.25,-2.4) 3(-1.75,-2.4) 4(-1.25,-2.4) 5(-0.75,-2.4) 6(-0.25,-2.4) 7(0.25,-2.4) 8(0.75,-2.4) 9(1.25,-2.4) 10(1.75,-2.4) 11(2.25,-2.4) 12(2.75,-2.4) 20(2.75,2.4) 21(2.25,2.4) 22(1.75,2.4) 23(1.25,2.4) 24(0.75,2.4) 25(0.25,2.4) 26(-0.25,2.4) 27(-0.75,2.4) 28(-1.25,2.4) 29(-1.75,2.4) 30(-2.25,2.4) 31(-2.75,2.4)
  rect 0.7x0.25 smd mask+0.076: 13(3.4,-1.5) 14(3.4,-1) 15(3.4,-0.5) 16(3.4,0) 17(3.4,0.5) 18(3.4,1) 19(3.4,1.5) 32(-3.4,1.5) 33(-3.4,1) 34(-3.4,0.5) 35(-3.4,0) 36(-3.4,-0.5) 37(-3.4,-1) 38(-3.4,-1.5)
  rect 5.15x3.15 smd mask+0.076: 39(0,0)
  silkscreen extent -3.4,-3.33 3.4,2.4, body extent -3.55,-2.55 3.55,2.55, height 0.8

## Part data
C1 C2 C5 C22 C23 C24 C25 C26 C27: "Generic 0805 Capacitor", Tolerance=10%, Voltage=50V, Supplier=Digikey
  C1 C22 C23 C24 C25 C26 C27: Supplier_PN=399-1170-1-ND
  C2 C5: Supplier_PN=1276-1123-1-ND
C3 C6: "Generic 0805 Capacitor", Tolerance=10%, Voltage=25V, Supplier=Digikey, Supplier_PN=1276-1099-1-ND
C4 C7 C8 C15: "Generic 0603 Capacitor", Tolerance=0%, Voltage=0V, Supplier=Digikey, Supplier_PN=000-000-00-ND
C9 C12 C13 C14 C16 C17 C18 C19: "Generic 0402 Capacitor", Tolerance=0%, Voltage=0V, Supplier=Digikey, Supplier_PN=000-000-00-ND
C11: "Generic 0805 Capacitor", Tolerance=20%, Voltage=25V, Supplier=Digikey, Supplier_PN=490-12389-1-ND
D1 D2: "DIODE 630mV 20A cts 60V", MFG=ST, MFG_PN=STPS20SM60D, Supplier=Digikey, Supplier_PN=497-12305-ND
D3 D4 D8: "DIODE SCHOTTKY 360mV 30V 5A", MFG=Nexperia, MFG_PN=PMEG3050EP,115, Supplier=Digikey, Supplier_PN=1727-5317-1-ND
D6: "DIODE ZENER 24V 1W PMDU", MFG="Rohm Semiconductor", MFG_PN=KDZVTR24B, Supplier=Digikey, Supplier_PN=KDZVTR24BCT-ND
"F1 - DC/DC_12V": "FUSE 50A 60VDC", MFG=Eaton, MFG_PN=1025HC50-RTR, Supplier=Digikey, Supplier_PN=283-4682-1-ND
"F2 - BATTERY_12V" "F3 - 12V UNSWITCHED" "F4 - VCAN" "F5 - MC_A" "F6 - M_COOL_PUMP_A" "F7 - M_COOL_FAN_A" "F8 - DCU" "F9 - MC_B" "F10 - M_COOL_PUMP_B" "F11 - M_COOL_FAN_B" "F12 - VCU" "F13 - BMS" "F14 - HV_COOL_PUMP" "F15 - HV_COOL_FAN" "F16 - DAU": "FUSE HOLDER BLADE PCB", MFG=MPD, MFG_PN=BK-6013, Supplier=Digikey, Supplier_PN=BK-6013-ND
J1: "D-Sub 5-pin 40A RA TH", MFG=NorComp, MFG_PN=684S5W5103L461, Supplier=Digikey, Supplier_PN=NOR1213-ND
J2: "CONN HEADER 35POS R/A GOLD BLACK", MFG=TE, MFG_PN=1-776163-1, Supplier=Digikey, Supplier_PN=A106383-ND
LED1 LED2: library part LED_LGR971, "Green LED", MFG="OSRAM Opto Semiconductors Inc.", MFG_PN="LG R971-KN-1", Supplier=Digikey, Supplier_PN=475-1410-1-ND
PB1: "Processor board that carries the STM32F072RB"
Q1: "P-CH 20V 60A PowerPak SO-8", MFG=Vishay, MFG_PN=SI7141DP-T1-GE3, Supplier=Digikey, Supplier_PN=SI7141DP-T1-GE3CT-ND
Q2: "2x P-ch FET 40V 6.7A", MFG="ON Semiconductor", MFG_PN=DMN3018SSD-13, Supplier=Digikey, Supplier_PN=NTMD5838NLR2GOSCT-ND
Q3: "2x N-ch FET 40V 6.7A", MFG="ON Semiconductor", MFG_PN=DMN3018SSD-13, Supplier=Digikey, Supplier_PN=NTMD5838NLR2GOSCT-ND
R1: "Resistor 0.0002ohm 5W Current Sense", MFG=Rohm, MFG_PN=PSR500HTQFC0L20, Supplier=Digikey, Supplier_PN=RHM1679-CT-ND
R2 R5 R9 R12: "Generic 0805 Resistor", Power=1/8W, Tolerance=5%, Supplier=Digikey
  R2 R5: Supplier_PN=P10KACT-ND
  R9: Supplier_PN=P150ACT-ND
  R12: Supplier_PN=P56ACT-ND
R3 R4 R6: "Generic 0805 Resistor", Power=1/8W, Tolerance=1%, Supplier=Digikey
  R3: Supplier_PN=P240CCT-ND
  R4: Supplier_PN=P10.2KCCT-ND
  R6: Supplier_PN=P1.96KCCT-ND
R7 R8 R41 R42 R43 R44 R45 R46 R47 R48 R49 R50 R51 R52 R57 R58 R59 R60 R61 R62 R63 R64 R65 R66 R67 R68 R73 R74 R75 R76 R77 R78 R79 R80 R81 R82 R83 R84: "Generic 0603 Resistor", Power=1/10W, Tolerance=5%, Supplier=Digikey, Supplier_PN=P10KGCT-ND
R10: "RES CURRENT SENSE R002 1% 5W", Power=5W, Tolerance=1%, MFG=Panasonic, MFG_PN=ERJ-MS6SF2M0U, Supplier=Digikey, Supplier_PN=P17101CT-ND
R11 R13 R14 R15 R17 R89 R90 R92 R93 R94 R95: "Generic 0603 Resistor", Power=0W, Tolerance=0%, Supplier=Digikey, Supplier_PN=000-00-00-ND
R16 R19 R20 R21 R22 R23 R24 R25 R26 R27 R28 R29 R30 R31 R33 R34 R35 R36 R37 R38: "Generic 0402 Resistor", Power=0W, Tolerance=0%, Supplier=Digikey, Supplier_PN=000-00-00-ND
R18: "RES CURRENT SENSE R025 1% 1W", Power=1W, Tolerance=1%, MFG=Ohmite, MFG_PN=LVK24R025FER, Supplier=Digikey, Supplier_PN=LVK24R025FERCT-ND
R32: "RES CURRENT SENSE R05 0.5% 1W", Power=1W, Tolerance=0.5%, MFG=Ohmite, MFG_PN=LVK24R050DER, Supplier=Digikey, Supplier_PN=LVK24R050DERCT-ND
R53 R54 R55 R56 R69 R70 R71 R72 R85 R86 R87 R88: "Generic 0603 Resistor", Power=1/8W, Tolerance=1%, Supplier=Digikey, Supplier_PN=RNCP0603FTD499RCT-ND
R91: "Generic 0603 Resistor", Power=0W, Tolerance=5%, Supplier=Digikey, Supplier_PN=000-00-00-ND
T1: "Transformer 6 coil 11.3uH", MFG=Eaton, MFG_PN=VP4-0140-R, Supplier=Digikey, Supplier_PN=513-1558-ND
TP1 TP2 TP3 TP4 TP5 TP6 TP7 TP8 TP9 TP10 TP11 TP13 TP14 TP15: library part "Test Point", "Test Point"
U1: "Opamp Instrumentation 2.7-36V SS", Supplier Part Number 1=296-29663-1-ND, MFG=TI, MFG_PN=INA826AIDGKR, Supplier 1=Digi-Key
U2: "5V 500mA Linear Regulator", MFG=TI, MFG_PN=UA78M05CKVURG3, Supplier=Digikey, Supplier_PN=296-19755-1-ND
U3: "3.3V 500mA Linear Regulator", Supplier Part Number=296-21208-1-ND, MFG=TI, MFG_PN=UA78M33CKVURG3, Supplier=Digikey
U4: "IC Battery Backup Manager", MFG="Linear Technology", MFG_PN=LTC4110, Supplier=Digikey, Supplier_PN=LTC4110EUHF#PBF-ND
U5 U6 U7: "LOAD CHANNEL HIGH SIDE 42A 4 Channel", MFG=STmicroelectronics, MFG_PN=VNQ5027AK-E, Supplier=Digikey, Supplier_PN=497-11715-1-ND
P1: MFG=MOLEX, MFG_PN=120070-0242

## Via types
v1: diameter 50, hole 28, Top Layer to Bottom Layer, 108 vias
v2: diameter 23.62, hole 11.81, Top Layer to Bottom Layer, 44 vias
v3: diameter 30, hole 16, Top Layer to Bottom Layer, tented both sides, 32 vias
v4: diameter 30, hole 16, Top Layer to Bottom Layer, 23 vias
v5: diameter 23.62, hole 11.81, Top Layer to Bottom Layer, tented both sides, 10 vias
v6: diameter 50, hole 28, Top Layer to Bottom Layer, tented both sides, 5 vias
v7: diameter 30, hole 16, Top Layer to Bottom Layer, tented bottom, 1 vias
v8: diameter 23.62, hole 11.81, Top Layer to Bottom Layer, tented bottom, 1 vias

## Nets (pads, with @x,y where several pads share a name; then routed paths per layer and width w, separated by ;. In a path a pad name is that pad's centre, name@x,y a point inside that pad or via, vN(x,y) a via of type N, cw(c..) or ccw(c..) an arc to the next point about the centre after c; other vN are vias at no path point)
3.3V: C6.1 LED2.1 PB1.1 PB1.3 PB1.5 PB1.7 PB1.9 PB1.11 PB1.13 R7.2 R8.2 R91.1 R92.1 R93.1 R94.1 R95.1 TP6.1 U3.3 | length 1342.5
  Top Layer w15: TP6.1@37761.97,38163.77 LED2.1@37838,38163.77 ; LED2.1@37837.72,38164.77 LED2.1@37838.72,38163.77
  Top Layer w20: v4(38003,38777.5) v2(38003,38926)
  Top Layer w50: PB1.3@37317.99,38370.46 37317.99,38428.62 v1(37317.99,38489.1) 37317.99,38529
  Bottom Layer w10: v4(37820,38780) R8.2@37820,38819.5 ; v4(37883,38777.5) R7.2@37883,38817.01
  Bottom Layer w15: v1(37759.97,38306.77) 37759.97,38165.77 TP6.1@37760.97,38164.77
  Bottom Layer w20: R92.1@37667,39175.5 R93.1@37734,39175.5 R94.1@37801,39175.5 R91.1@37868,39175.5 R95.1@37935,39175.5 37985.5,39175.5 38003,39158 v2(38003,38926)
  Bottom Layer w30: v1(37759.97,38306.77) C6.1@37759.97,38373.37 37853.84,38373.37 U3.3@37854.44,38372.77
5V: C1.2 C3.1 LED1.1 TP5.1 U1.8 U2.3 | length 1635
  Top Layer w15: TP5.1@38265.97,38167.77 LED1.1@38341,38167.77
  Internal Layer 1 w30: v1(38088,39174) 38240,39174 38343,39071 38343,38332 38312.17,38301.17 v1(38271.97,38301.17)
  Bottom Layer w15: v1(38088,39174) 38088,39241.54 C1.2@38087.77,39241.77 38087.77,39315.7 U1.8@38088.46,39316.39 ; TP5.1@38265.97,38167.77 38271.97,38173.77 v1(38271.97,38301.17)
  Bottom Layer w30: C3.1@38267.97,38373.77 U2.3@38362.2,38373.76 ; v1(38271.97,38301.17) C3.1@38271.97,38367.77
12V: "F4 - VCAN.2" C2.1 C5.1 C22.1 C23.1 C24.1 C25.1 C26.1 C27.1 J1.5 R4.2 U2.1 U3.1 U5.1 U5.12 U5.25 U6.1 U6.12 U6.25 U7.1 U7.12 U7.25 | length 898.1
  Top Layer w15: v1(37352,38196) R4.2@37419,38196
  Top Layer w20: C25.1@36373.6,39937 36373.6,39850.82 U6.12@36374.19,39850.23 ; C23.1@36373.6,40967 36373.6,40880.82 U5.12@36374.19,40880.23 ; C24.1@36374,39422 36374,39503.58 U6.1@36374.19,39503.77 ; C22.1@36374,40452 36374,40533.58 U5.1@36374.19,40533.77 ; C27.1@36374.41,38886.26 36374.41,38800.08 U7.12@36375,38799.49 ; C26.1@36374.81,38371.26 36374.81,38452.84 U7.1@36375,38453.03
  Bottom Layer w30: U3.1@38033.97,38372.77 38129.37,38372.77 C5.1@38129.97,38373.37 v1(38129.97,38306.77) ; U2.1@38541.73,38373.76 38635.35,38373.76 C2.1@38635.97,38374.37 38636.37,38374.77 v1(38702.97,38374.77)
  other v1: 36000,38100 36100,38100 36200,38100 36300,38100 36400,38100 36150,38200 36250,38200 36350,38200 36450,38200 36100,38300 36200,38300 36300,38300 36400,38300 36150,38400 36250,38400 36100,38900 36200,38900 36300,38900 36150,39000 36250,39000 36350,39000 36450,39000 36100,39100 36200,39100 36300,39100 36400,39100 36150,39200 36250,39200 36350,39200 36450,39200 36100,39300 36200,39300 36300,39300 36400,39300 36150,39400 36250,39400 36300,39500 36100,39900 36200,39900 36300,39900 36150,40000 36250,40000 36100,40100 36200,40100 36300,40100 36400,40100 36150,40200 36250,40200 36350,40200 36450,40200 36100,40300 36200,40300 36300,40300 36400,40300 36150,40400 36250,40400 36100,40500 36200,40500 36300,40500 36100,40900 36200,40900 36150,41000 36250,41000 36000,41300 36100,41300 36200,41300 36300,41300 36400,41300
12V_GLVMS: "F3 - 12V UNSWITCHED.2" C4.1 J1.2 Q1.5 Q1.6 Q1.7 Q1.8 Q2.3 U4.37 | length 1249.3
  Top Layer w10: v2(38643.97,39789.77) C4.1@38643.97,39746.77 38643.97,39724.85 38662.86,39705.96 U4.37@38662.86,39658.83
  Top Layer w100: 37803.87,41182.77 38136.97,41182.77 38254.97,41064.77
  Bottom Layer w10: v1(38603.97,40383.77) 38603.97,40204.77 38643.97,40164.77 v2(38643.97,39789.77)
ACPDLY: C17.1 TP10.1 U4.4 | length 114.7
  Top Layer w8: TP10.1@38541.23,39559.97 38555.44,39574.19 U4.4@38607.74,39574.19 U4.4@38607.53,39573.97
  Bottom Layer w8: 38557.23,39571.97 C17.1@38599.23,39571.97
BATTERY_12V: "F2 - BATTERY_12V.2" D2.2 Q2.1 R32.1 | length 3927.9
  Top Layer w55: 38762.98,41332.77 38762.98,41226.76 38827.97,41161.77 Q2.1@38895.66,41161.77
  Top Layer w100: R32.1@36798.13,39704 36786.09,39716.03 36786.09,41249.9 36849.97,41313.77 D2.2@38173.97,41313.77 38294.97,41192.77 38480.88,41192.77 38618.88,41330.77 38620.88,41332.77 38762.98,41332.77
BATTERY_GATE: Q2.2 Q2.4 U4.35 | length 1841
  Top Layer w8: v2(38696.91,39695.82) 38702.23,39690.5 U4.35@38702.23,39658.83 ; Q2.4@38895.66,41011.77 v4(38951.97,41011.77) ; Q2.2@38895.66,41111.77 v4(38951.97,41111.77)
  Internal Layer 1 w8: v2(38696.91,39695.82) 38696.91,39767.72 38714.97,39785.77 v2(38859.97,39785.77)
  Bottom Layer w8: v2(38859.97,39785.77) 38859.97,40177.56 38831.66,40205.86 38831.66,40992.46 38850.97,41011.77 v4(38951.97,41011.77) v4(38951.97,41111.77)
CAN_N: P1.5 PB1.19 TP4.1 | length 3830.5
  Top Layer w8: PB1.19@37317.99,38606.68 37255.05,38606.68 37233,38584.63 37233,38077.37 37266.37,38044 37681,38044 37708,38071 39039.63,38071 39089,38120.37 39089,38505 39118,38534 39151,38534 TP4.1@39175,38510 39199,38534 39465.37,38534 39521.03,38478.35 39692.09,38478.35 39729.43,38441.01 39775.01,38441.01 39804.87,38470.87 39804.87,38538.45 P1.5@39750.54,38592.77
CAN_P: P1.4 PB1.17 TP3.1 | length 3550.4
  Top Layer w8: PB1.17@37317.99,38586.99 37257.99,38586.99 37249,38578 37249,38084 37273,38060 37674.37,38060 37701.37,38087 39033,38087 39073,38127 39073,38511.63 39111.37,38550 39151,38550 TP3.1@39175,38574 39199,38550 39472,38550 39527.65,38494.35 P1.4@39751.53,38494.35
CHG_GATE: R89.1 U4.33 | length 2459.6
  Top Layer w8: U4.33@38741.6,39658.83 38741.6,39692.5 v2(38754.91,39705.82)
  Bottom Layer w8: R89.1@37613.47,40983.77 38733.97,40983.77 38754.91,40962.83 v2(38754.91,39705.82)
CONNECTOR_GND: D1.1 D2.1 J1.3 J1.6 J1.7 R1.2 U1.1 U1.5 U1.6 | length 2084.5
  Top Layer w8: v4(38012.97,39442.77) R1.2@38205.97,39442.77
  Internal Layer 2 w150: 38212,39524 38212,39511 38212,39419 38212,39205 38382,39035 38718,39035 38885,39202 39296,39202
  Bottom Layer w10: U1.1@37899.48,39316.39 37969.58,39316.39 38020.76,39367.57 U1.6@38088.46,39367.57 U1.5@38088.46,39393.16 ; v4(38012.97,39442.77) 38012.97,39406.77 38026.58,39393.16 U1.5@38084.46,39393.16
  other v1: 38258,39419 38162,39420 38255,39510 38163,39511 38254,39578 38162,39579
  other v6: 38257,39327
DC/DC_12V: "F1 - DC/DC_12V.2" C7.1 D1.2 R10.1 R11.1 U4.3 | length 874.6
  Top Layer w8: R10.1@38473.97,39986.77 38473.97,39795.77 38389.97,39711.77 38389.97,39628.77 38399.97,39618.77 38446.97,39618.77 38459.72,39606.02 38459.72,39574.02 38464.77,39568.97 C7.1@38490.23,39568.97 38512.23,39568.97 38518.23,39574.97 38518.23,39589.97 38524.23,39595.97 38585.23,39595.97 38587.33,39593.87 U4.3@38607.74,39593.87 ; 38781.97,39812.77 38888.97,39812.77 38915.97,39785.77 R11.1@38970.47,39785.77
DC/DC_GATE: Q1.4 U4.38 | length 747.5
  Top Layer w8: v4(38423.97,40173.77) Q1.4@38423.97,40224.77
  Top Layer w10: v2(38637.91,39695.82) 38643.17,39690.56 U4.38@38643.17,39658.83
  Bottom Layer w8: v4(38423.97,40173.77) 38578.97,40173.77 38619.97,40132.77 38619.97,39713.76 v2(38637.91,39695.82)
DCDIV: C8.1 R11.2 R14.1 TP15.1 U4.5 | length 1193.2
  Top Layer w8: v2(38488.97,39524.77) 38496.59,39532.39 38552.09,39532.39 38574.2,39554.5 U4.5@38607.74,39554.5 ; TP15.1@38989.97,39662.77 38970.47,39682.27 R14.1@38970.47,39723.77 39029.47,39782.77 R11.2@39029.47,39785.77 39053.97,39785.77 39060.97,39778.77 39089.97,39778.77 C8.1@39090.97,39779.77
  Internal Layer 1 w8: v2(38488.97,39524.77) 38488.97,39560.71 38532.03,39603.77 38643.97,39603.77 38673.1,39632.91 38673.1,39713.49 38680.91,39721.3 38680.91,39774.35 38708.34,39801.77 38842.29,39801.77 38850.1,39809.58 38950.16,39809.58 38969.97,39789.77 38969.97,39682.77 TP15.1@38989.97,39662.77
DCH_GATE: R90.1 U4.32 | length 2670.6
  Top Layer w8: U4.32@38761.28,39658.83 38761.28,39678.03 38780.07,39696.82 v2(38796.91,39696.82)
  Bottom Layer w8: R90.1@37494.47,41018.77 38768.97,41018.77 38796.91,40990.83 v2(38796.91,39696.82)
FET_SENSE_N: R18.3 U4.28 | length 3360.5
  Top Layer w8: R18.3@37849.42,40606.77 37849.42,40703.23 37873.47,40727.27 37919.47,40727.27 37920.97,40728.77 37931.6,40728.77 37987.97,40785.14 37987.97,41048.77 38021.97,41082.77 38047.97,41082.77 v2(38057.97,41072.77) ; U4.28@38796.93,39573.97 U4.28@38796.72,39574.19 38821.44,39574.19 38831.23,39583.97 38911.17,39583.97 v5(38928.97,39601.77)
  Bottom Layer w8: v2(38057.97,41072.77) 38067.97,41082.77 38838.6,41082.77 38910.6,41154.77 38974.97,41154.77 39004.97,41124.77 39004.97,40980.77 38958.27,40934.08 38958.27,40166.08 38904.97,40112.77 38904.97,39818.14 38962.78,39760.33 38962.78,39635.58 v5(38928.97,39601.77)
FET_SENSE_P: R16.2 R18.4 | length 3226.6
  Top Layer w8: R18.4@37849.42,40864.65 37849.42,40767.32 37871.97,40744.77 37924.97,40744.77 37971.97,40791.77 37971.97,41055.4 38015.34,41098.77 38073.97,41098.77 38090.97,41081.77 v2(38090.97,41058.77) ; R16.2@38888.23,39607.97 38901.5,39607.97 38928.97,39635.45 v5(38928.97,39637.77)
  Bottom Layer w8: v2(38090.97,41058.77) 38098.97,41066.77 38845.22,41066.77 38917.22,41138.77 38968.34,41138.77 38988.97,41118.14 38988.97,40987.4 38942.27,40940.71 38942.27,40172.71 38888.97,40119.4 38888.97,39811.52 38946.78,39753.71 38946.78,39655.58 v5(38928.97,39637.77)
FLYBACK_SENSE_N: R26.2 R32.3 U4.31 | length 4187.1
  Top Layer w8: R32.3@36798.13,39607.54 36855.54,39607.54 36897,39649 v2(36897,39787.8) 36907.03,39797.83 ; R26.2@39123.23,39603.97 39157.77,39603.97 v5(39157.97,39603.77)
  Top Layer w9.84: v2(38796.23,39660.97) 38796.72,39660.49 U4.31@38796.72,39633.24
  Internal Layer 1 w8: v2(38796.23,39660.97) 38889.03,39660.97 38905.16,39644.84 38905.16,39591.91 38919.1,39577.96 38944.22,39577.96 38958,39591.75 38958,39615 38971,39628 39133.74,39628 v5(39157.97,39603.77)
  Bottom Layer w8: v2(36897,39787.8) 36897,39767.8 36906.97,39777.77 36906.97,39759.64 36905.19,39757.86 36905.19,39738.14 36919.14,39724.19 36938.86,39724.19 36939.89,39725.22 36992.34,39672.77 38423.97,39672.77 38445.97,39650.77 38445.97,39512.77 38449.16,39509.58 38449.16,39508.28 38522.97,39434.47 38522.97,39156.14 38551.34,39127.77 39166.6,39127.77 39225.97,39187.14 39225.97,39571.4 39213.6,39583.77 39177.97,39583.77 v5(39157.97,39603.77)
FLYBACK_SENSE_P: R20.2 R32.4 | length 3642.5
  Top Layer w8: 36923.03,39797.71 v2(36932.74,39788) 36932.74,39657.74 36929,39654 36975.46,39607.54 R32.4@37056,39607.54 ; R20.2@39123.23,39551.97 39157.77,39551.97 v5(39157.97,39551.77)
  Bottom Layer w8: v2(36932.74,39788) 36932.74,39762.48 36929,39758.74 ; v5(39157.97,39551.77) 39173.97,39567.77 39206.97,39567.77 39209.97,39564.77 39209.97,39193.77 39159.97,39143.77 38557.97,39143.77 38538.97,39162.77 38538.97,39441.1 38465.16,39514.91 38465.16,39654.21 38461.97,39651.02 38461.97,39657.4 38430.6,39688.77 36998.97,39688.77 36929,39758.74 ; 36929,39758.74 36922.97,39764.77 36922.97,39777.77 36929,39771.74 36929,39758.74